# Altium PCB PCB2-v2.PcbDoc (part 7 of 8) (continued)
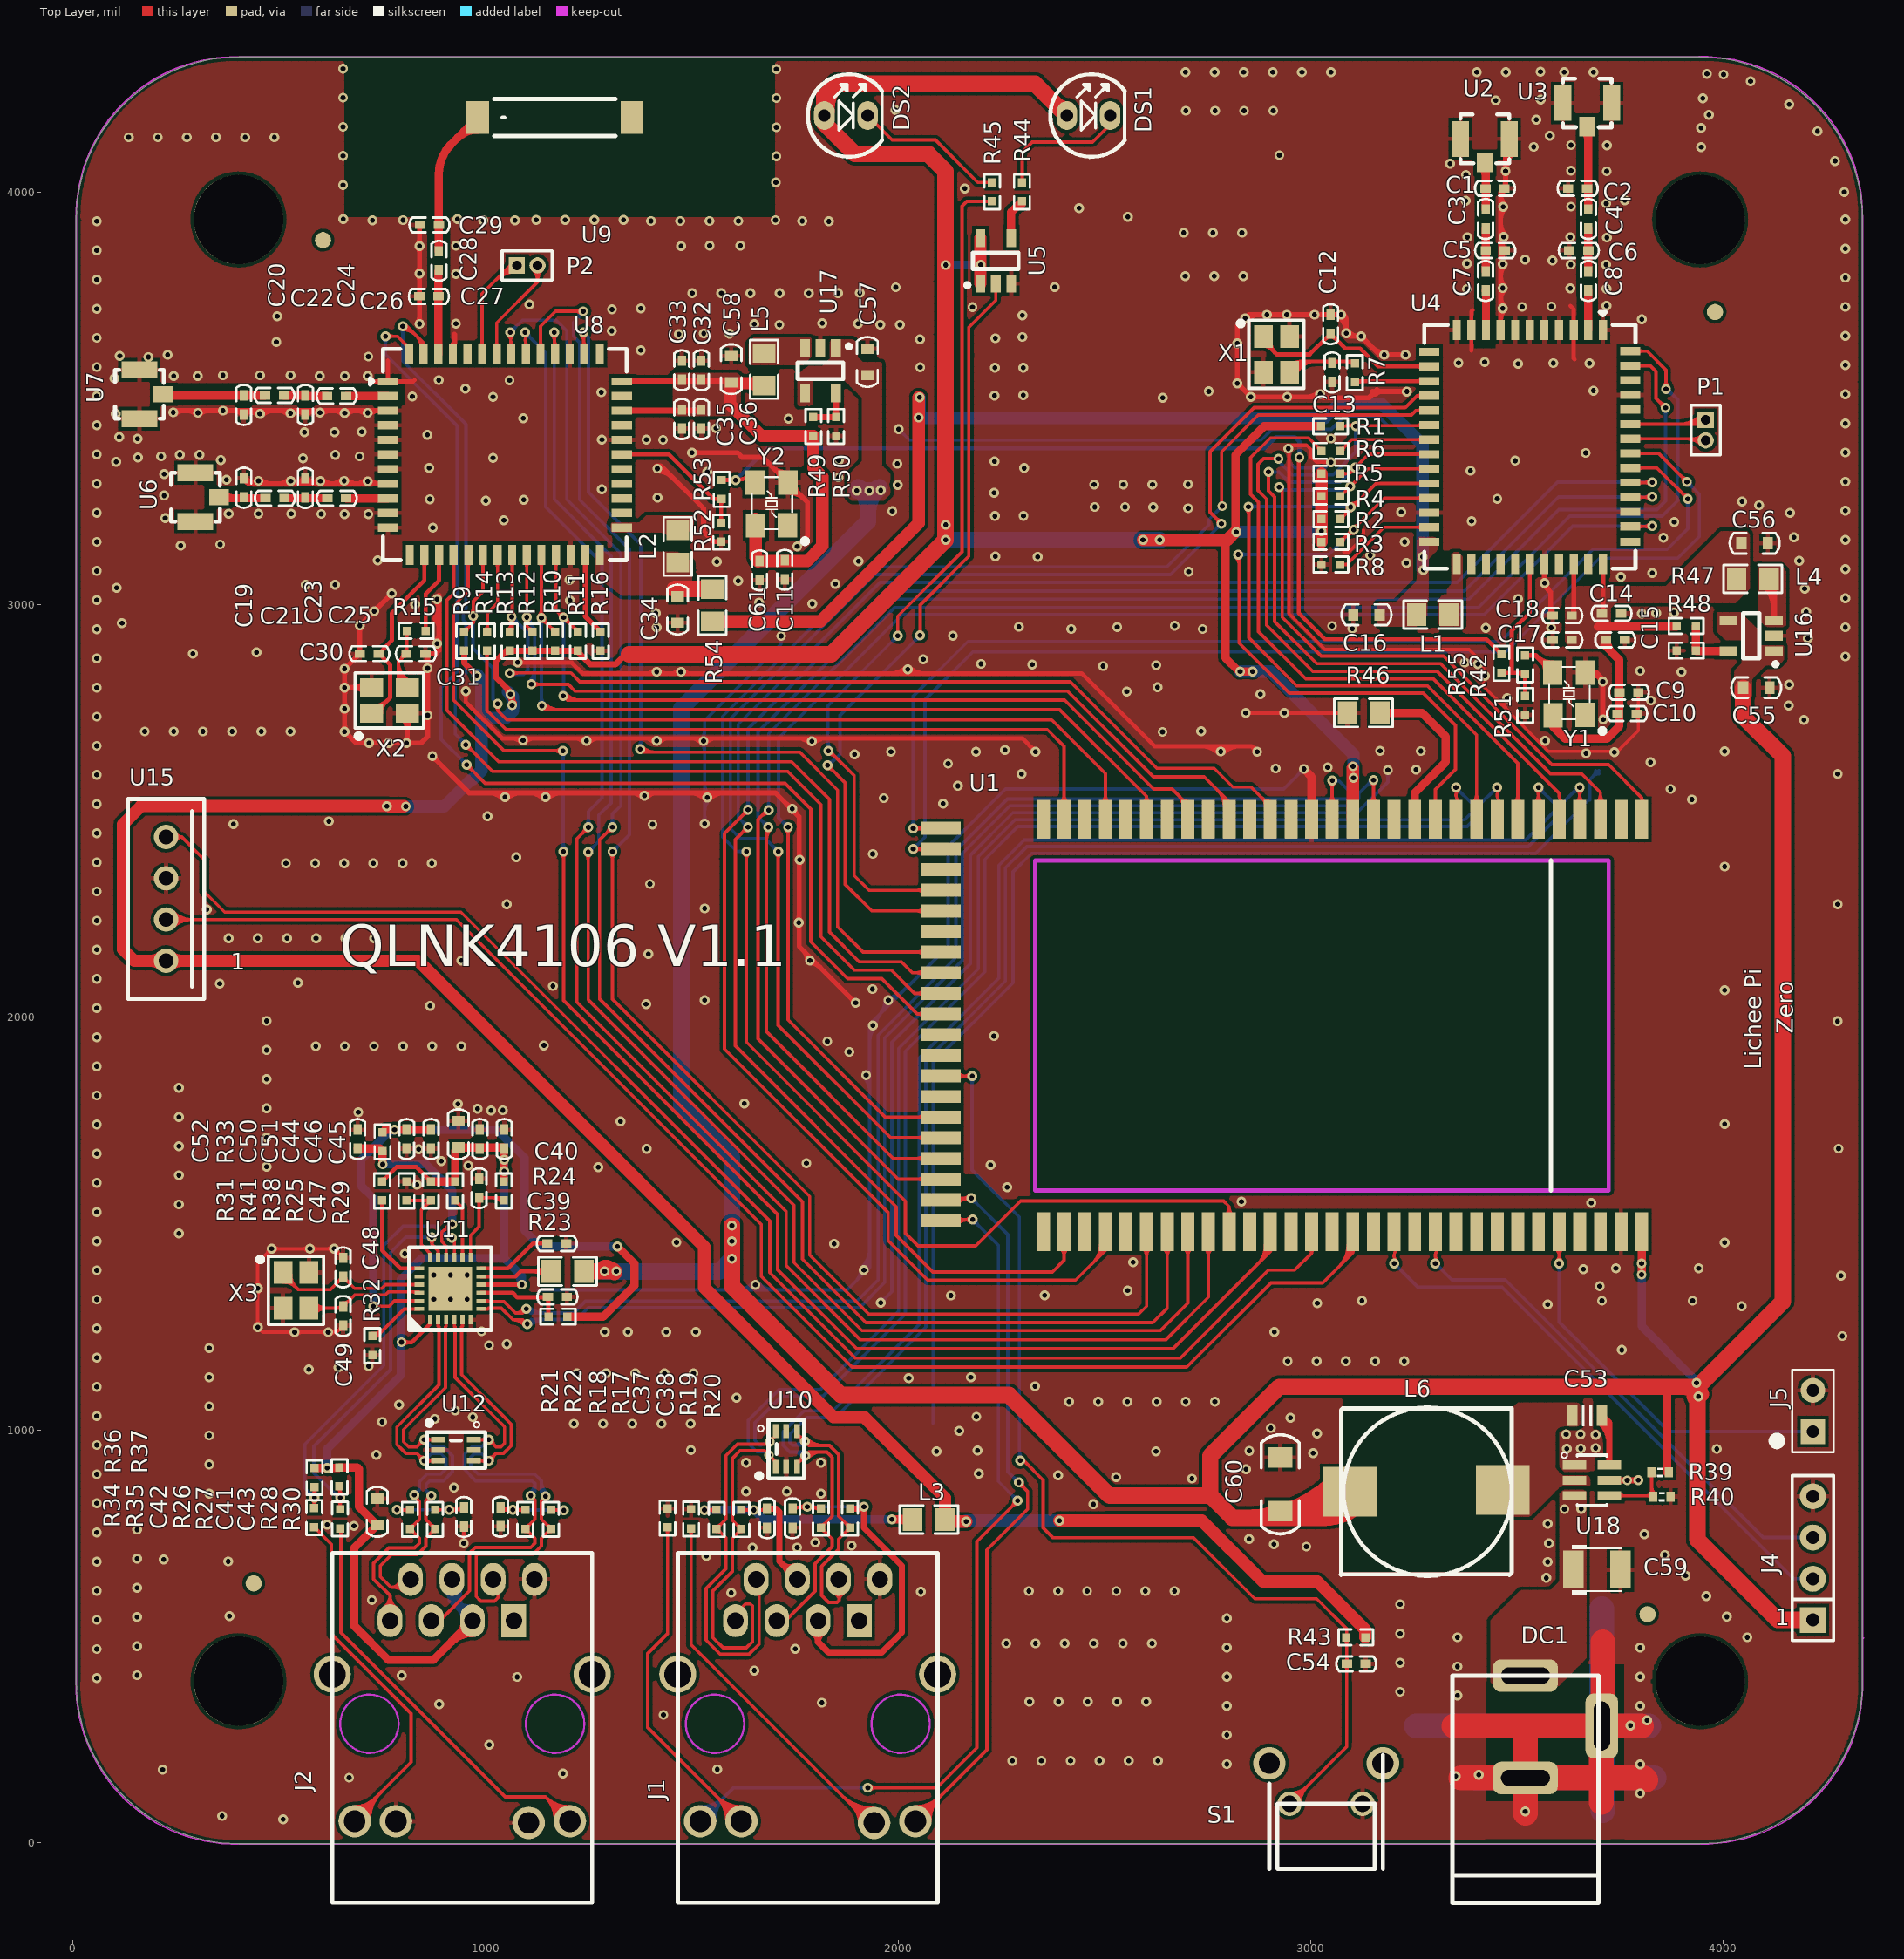
[diagram p0: Top Layer view]
## Nets (pads, with @x,y where several pads share a name; then routed paths per layer and width w, separated by ;. In a path a pad name is that pad's centre, name@x,y a point inside that pad or via, vN(x,y) a via of type N, cw(c..) or ccw(c..) an arc to the next point about the centre after c; other vN are vias at no path point) (continued)
NetR52_2: R52.2 R53.1 U8.31 | length 480.4
  Top Layer w10: U8.31@1329.72,3364.28 1443.78,3364.28 1551.53,3256.53 1570.87,3256.53 R52.2@1570.87,3198.89 ; 1356.18,3364.28 ccw(c1356.18,3352.59) 1347.91,3360.85 cw(c1356.18,3352.59) 1356.18,3364.28 ; 1356.18,3364.28 cw(c1356.18,3375.97) 1347.91,3367.7 ccw(c1356.18,3375.97) 1356.18,3364.28 ; 1559.81,3256.53 ccw(c1559.81,3268.6) 1568.35,3260.06 cw(c1559.81,3268.6) 1559.81,3256.53 ; 1559.81,3256.53 cw(c1559.81,3244.46) 1568.35,3252.99 ccw(c1559.81,3244.46) 1559.81,3256.53 ; 1570.87,3210.96 ccw(c1582.94,3210.96) 1574.4,3202.43 cw(c1582.94,3210.96) 1570.87,3210.96 ; 1570.87,3210.96 cw(c1558.8,3210.96) 1567.33,3202.43 ccw(c1558.8,3210.96) 1570.87,3210.96 ; 1570.87,3241.99 cw(c1586.42,3241.99) 1575.42,3252.99 ccw(c1586.42,3241.99) 1570.87,3241.99
NetR53_2: R53.2 R55.1 Y2.3 | length 2463.3
  Top Layer w10: R53.2@1571.89,3302.53 v1@1605.79,3302.53 ; v1@1609.73,3302.53 ccw(c1609.73,3345.68) Y2.3@1640.25,3315.17 ; v1@2970.93,3352.12 2970.93,2979.63 3033.94,2916.62 3426.46,2916.62 R55.1@3462.21,2880.87 ; R55.1@3453.67,2889.4 ccw(c3462.21,2897.94) 3462.21,2885.87 cw(c3462.21,2897.94) R55.1@3453.67,2889.4 ; R55.1@3453.67,2889.4 cw(c3445.13,2880.87) 3457.21,2880.87 ccw(c3445.13,2880.87) R55.1@3453.67,2889.4
  Bottom Layer w10: v1(1605.79,3301.94) 1683.56,3379.71 2889.1,3379.71 2916.08,3406.69 2961.28,3406.69 2972.44,3395.53 v1(2972.44,3357.34)
USB_ETH_N: U1.44 U11.7 | length 3830.9
  Top Layer w8: U11.7@989.06,1292.98 1004.87,1292.98 1006.71,1294.82 1038.02,1294.82 1065.98,1266.87 ; v1(1100.26,1256.7) 1090.09,1266.87 1065.98,1266.87 ; U1.44@3151.96,2480.2 v1(3152.02,2575.26) ; 1065.98,1266.87 cw(c1065.98,1233.44) 1093.64,1252.21 ccw(c1065.98,1233.44) 1065.98,1266.87 ; 3151.96,2540.06 ccw(c3180.33,2540.06) 3160.27,2520 cw(c3180.33,2540.06) 3151.96,2540.06 ; 3151.96,2540.06 cw(c3123.6,2540.06) 3143.66,2520 ccw(c3123.6,2540.06) 3151.96,2540.06 ; 1081.07,1266.87 cw(c1081.07,1243.68) v1(1100.26,1256.7) ccw(c1081.07,1243.68) 1081.07,1266.87 ; v1@3146.37,2569.6 cw(c3132.85,2556.09) 3151.96,2556.09 ccw(c3132.85,2556.09) v1@3146.37,2569.6 ; 3151.96,2555.8 cw(c3171.48,2555.8) 3157.68,2569.6 ccw(c3171.48,2555.8) 3151.96,2555.8
  Bottom Layer w8: 1127.89,1267.18 1148.83,1267.18 ; 3056.65,2512.84 3041.68,2512.84 ; v1(3152.02,2575.26) 3148.95,2575.26 3148.95,2568.76 3142.68,2568.76 3116.86,2542.94 3116.86,2529.75 3099.95,2512.84 3041.68,2512.84 ; v1(1100.26,1256.7) cw(c1125.56,1231.4) 1125.56,1267.18 ccw(c1125.56,1231.4) v1(1100.26,1256.7) ; v1(1100.26,1256.7) 1110.74,1267.18 1148.83,1267.18 ; 1148.83,1267.18 1219.69,1267.18 1248.52,1296.01 1906.17,1296.01 1967.13,1356.96 1967.13,1949.73 2155.73,2138.34 2155.73,2397.66 2270.92,2512.84 3041.68,2512.84 ; v1@1105.92,1251.05 cw(c1144.88,1212.09) 1144.88,1267.19 ccw(c1144.88,1212.09) v1@1105.92,1251.05 ; 3133.52,2559.6 cw(c3152.02,2541.09) 3152.02,2567.26 ccw(c3152.02,2541.09) 3133.52,2559.6 ; 3140.37,2566.45 ccw(c3131.56,2575.26) 3144.02,2575.26 cw(c3131.56,2575.26) 3140.37,2566.45
USB_ETH_P: U1.46 U11.8 | length 3755.2
  Top Layer w8: U11.8@989.06,1312.66 1004.87,1312.66 1006.71,1310.82 1044.65,1310.82 1072.6,1282.87 ; U1.46@3051.96,2480.2 v1(3051.98,2573.7) ; 1072.6,1282.87 ccw(c1072.6,1302.17) 1090.8,1295.75 cw(c1072.6,1302.17) 1072.6,1282.87 ; 1072.6,1282.87 1088.13,1282.87 v1(1098.35,1293.09) ; v1(1098.35,1293.09) cw(c1083.91,1298.18) 1083.91,1282.87 ccw(c1083.91,1298.18) v1(1098.35,1293.09) ; 3051.96,2540.06 ccw(c3080.33,2540.06) 3060.27,2520 cw(c3080.33,2540.06) 3051.96,2540.06 ; 3051.96,2540.06 cw(c3023.6,2540.06) 3043.66,2520 ccw(c3023.6,2540.06) 3051.96,2540.06 ; v1@3046.32,2568.05 cw(c3032.71,2554.43) 3051.96,2554.43 ccw(c3032.71,2554.43) v1@3046.32,2568.05 ; 3051.96,2554.35 cw(c3071.33,2554.35) 3057.64,2568.05 ccw(c3071.33,2554.35) 3051.96,2554.35
  Bottom Layer w8: 1127.89,1283.18 1155.19,1283.18 ; v1(3051.98,2573.7) 3068.1,2573.7 ; v1(1098.35,1293.09) ccw(c1122.26,1317) 1122.26,1283.18 cw(c1122.26,1317) v1(1098.35,1293.09) ; v1(1098.35,1293.09) 1108.25,1283.18 1155.19,1283.18 ; 1155.19,1283.18 1213.06,1283.18 1241.89,1312.01 1899.55,1312.01 1951.13,1363.59 1951.13,1956.36 2139.73,2144.96 2139.73,2404.29 2264.29,2528.84 3093.33,2528.84 3100.86,2536.38 3100.86,2540.94 3068.1,2573.7 ; 3068.1,2573.7 ccw(c3068.1,2561.46) 3058.35,2568.86 cw(c3068.1,2561.46) 3068.1,2573.7 ; 3068.1,2573.7 cw(c3068.1,2585.94) 3058.35,2578.54 ccw(c3068.1,2585.94) 3068.1,2573.7 ; v1@1104,1298.74 ccw(c1141.57,1336.31) 1141.57,1283.19 cw(c1141.57,1336.31) v1@1104,1298.74
USB_ID: R46.1 U1.42 | length 456.8
  Top Layer w8: U1.42@3251.96,2480.2 U1.42@3251.96,2521.89
  Top Layer w20: R46.1@3167.35,2738.06 3269.58,2738.06 3327.2,2680.43 3327.2,2618.99 3251.96,2543.75 U1.42@3251.96,2480.2
USB_SEL: U1.72
VCC: C55.1 C57.1 C60.1 J4.1 L6.1 R24.1 R39.2 U1.30 U16.1 U16.4 U17.1 U17.4 | length 13038.6
  Top Layer w20: v1(3801.96,1376.36) U1.30@3801.96,1480.2 ; R39.2@3864.19,897.31 3864.19,1098.01 3870.4,1104.22 ; R39.2@3864.19,908.82 ccw(c3877.63,908.82) R39.2@3868.13,899.31 ; R39.2@3864.19,908.82 ccw(c3877.63,908.82) R39.2@3868.13,899.31 ; R39.2@3864.19,908.82 ccw(c3877.63,908.82) R39.2@3868.13,899.31 ; R39.2@3864.19,908.82 ccw(c3877.63,908.82) R39.2@3868.13,899.31
  Top Layer w40: R24.1@1237.73,1384.13 v1(1288,1384.13) 1309.97,1384.13 v1@1310.23,1383.87 ; v1(1596.6,1495.12) v1(1596.6,1457.34) v1(1596.6,1414.52) 1596.6,1348.88 1861.22,1084.25 2268.41,1084.25 2512.56,840.11 2756.99,840.11 ; L6.1@3095.16,850.07 3032.17,787.07 2810.02,787.07 2756.99,840.11 ; C55.1@4047.92,2798.89 4047.92,2729.79 4144.33,2633.37 4144.33,1311.07 v1@3937.49,1104.22 ; J4.1@4217.21,539.04 4132.15,539.04 3937.49,733.71 v1@3937.49,1104.22 ; v1@1288,1392.13 cw(c1288,1358.4) v1@1311.85,1382.25 ; v1@1288,1392.13 cw(c1288,1358.4) v1@1311.85,1382.25 ; v1@1288,1392.13 cw(c1288,1358.4) v1@1311.85,1382.25 ; v1@1288,1392.13 cw(c1288,1358.4) v1@1311.85,1382.25 ; 2756.99,840.11 2756.37,840.73 2756.37,937.02 2923.57,1104.22 3870.4,1104.22 v1@3937.49,1104.22 ; 2841.52,787.07 ccw(c2841.52,1098.71) L6.1@3061.88,878.35 ; 2841.52,787.07 ccw(c2841.52,1098.71) L6.1@3061.88,878.35 ; 2841.52,787.07 ccw(c2841.52,1098.71) L6.1@3061.88,878.35 ; 2841.52,787.07 ccw(c2841.52,1098.71) L6.1@3061.88,878.35 ; 2870.78,787.07 ccw(c2870.78,852.91) C60.1@2917.33,806.36 ; 2870.78,787.07 ccw(c2870.78,852.91) C60.1@2917.33,806.36 ; 2870.78,787.07 ccw(c2870.78,852.91) C60.1@2917.33,806.36 ; 2870.78,787.07 ccw(c2870.78,852.91) C60.1@2917.33,806.36 ; C60.1@2934.41,806.36 ccw(c2980.96,852.91) 2980.96,787.07 ; C60.1@2934.41,806.36 ccw(c2980.96,852.91) 2980.96,787.07 ; C60.1@2934.41,806.36 ccw(c2980.96,852.91) 2980.96,787.07 ; C60.1@2934.41,806.36 ccw(c2980.96,852.91) 2980.96,787.07 ; C60.1@2938.09,787.07 ccw(c2938.09,1002.14) L6.1@3090.16,850.07 ; C60.1@2938.09,787.07 ccw(c2938.09,1002.14) L6.1@3090.16,850.07 ; C60.1@2938.09,787.07 ccw(c2938.09,1002.14) L6.1@3090.16,850.07 ; C60.1@2938.09,787.07 ccw(c2938.09,1002.14) L6.1@3090.16,850.07 ; 3034.65,787.07 ccw(c3034.65,905.57) L6.1@3118.45,821.78 ; 3034.65,787.07 ccw(c3034.65,905.57) L6.1@3118.45,821.78 ; 3034.65,787.07 ccw(c3034.65,905.57) L6.1@3118.45,821.78 ; 3034.65,787.07 ccw(c3034.65,905.57) L6.1@3118.45,821.78 ; 3034.67,789.58 cw(c3084.49,739.76) L6.1@3088.11,810.12 ; 3034.67,789.58 ccw(c2992.95,831.3) L6.1@3050.89,842.49 ; 3034.67,789.58 cw(c3084.49,739.76) L6.1@3088.11,810.12 ; 3034.67,789.58 ccw(c2992.95,831.3) L6.1@3050.89,842.49 ; 3034.67,789.58 ccw(c2992.95,831.3) L6.1@3050.89,842.49 ; 3034.67,789.58 cw(c3084.49,739.76) L6.1@3088.11,810.12 ; 3034.67,789.58 ccw(c2992.95,831.3) L6.1@3050.89,842.49 ; 3034.67,789.58 cw(c3084.49,739.76) L6.1@3088.11,810.12 ; v1@3937.49,1104.22 ccw(c3954.52,1087.18) 3932.18,1078.16 cw(c3954.52,1087.18) v1@3937.49,1104.22 ; 3903.23,1104.22 cw(c3903.23,1044.78) 3945.26,1086.81 ccw(c3903.23,1044.78) 3903.23,1104.22 ; v1@3931.6,1081.16 cw(c3973.08,1081.16) 3943.75,1110.48 ccw(c3973.08,1081.16) v1@3931.6,1081.16
  Bottom Layer w20: v1(3801.96,1403.51) 3801.96,1251.49 3939.6,1113.85 v1(3939.6,1081.16) ; 3928.26,1125.19 cw(c3916.97,1113.9) 3932.94,1113.9 ccw(c3916.97,1113.9) 3928.26,1125.19 ; v1@3933.53,1112.48 cw(c3918.86,1097.82) 3939.6,1097.82 ccw(c3918.86,1097.82) v1@3933.53,1112.48
  Bottom Layer w40: v1@1288,1384.03 1566.11,1384.03 v1(1596.6,1414.52) ; v1@1596.6,1412.89 v1(1596.6,1414.52) ; v1(1899.34,3276.91) v1@1926.25,3276.91 ; v1@1949.5,3276.91 v1(1929.94,3276.91) v1@1926.25,3276.91 ; v1(1596.6,1414.52) v1(1596.6,1457.34) v1(1596.6,1495.12) 1596.6,1660.89 1474.16,1783.33 1474.16,2749.36 1926.25,3201.45 v1@1926.25,3276.91 ; v1@1902.05,3284.43 cw(c1889.65,3250) 1926.25,3250 ; v1@1902.05,3284.43 cw(c1889.65,3250) 1926.25,3250 ; v1@1902.05,3284.43 cw(c1889.65,3250) 1926.25,3250 ; v1@1905,3282.56 cw(c1853.7,3231.26) 1926.25,3231.26 ; v1@1905,3282.56 cw(c1853.7,3231.26) 1926.25,3231.26 ; v1@1905,3282.56 cw(c1853.7,3231.26) 1926.25,3231.26 ; 1926.25,3220.73 cw(c2014.36,3220.73) v1@1952.06,3283.04 ; 1926.25,3220.73 cw(c2014.36,3220.73) v1@1952.06,3283.04 ; 1926.25,3220.73 cw(c2014.36,3220.73) v1@1952.06,3283.04 ; 1926.25,3245.91 cw(c1967.08,3245.91) v1@1955.43,3285.05 ; 1926.25,3245.91 cw(c1967.08,3245.91) v1@1955.43,3285.05 ; 1926.25,3245.91 cw(c1967.08,3245.91) v1@1955.43,3285.05
  other v1: 3934.94,1113.9 1316.68,1384.03 1957.71,3277.38
WiFi_3V3: C9.1 C10.1 C14.1 C15.1 C17.1 C18.1 C56.1 L4.1 R47.2 U4.34 U4.36 Y1.4 | length 1165
  Top Layer w12: C18.1@3632.43,2973.96 3637.28,2978.81 U4.34@3637.28,3099.26 ; C14.1@3706.04,2979.06 3708.15,2981.16 U4.36@3708.15,3099.26 ; C18.1@3632.1,2976.79 ccw(c3619.6,2989.3) 3637.28,2989.3 ; C18.1@3632.1,2976.79 ccw(c3619.6,2989.3) 3637.28,2989.3 ; C18.1@3632.1,2976.79 ccw(c3619.6,2989.3) 3637.28,2989.3 ; C18.1@3632.1,2976.79 ccw(c3619.6,2989.3) 3637.28,2989.3 ; 3708.15,2989.68 ccw(c3719.16,2989.68) C14.1@3711.37,2981.89 ; 3708.15,2989.68 ccw(c3719.16,2989.68) C14.1@3711.37,2981.89 ; 3708.15,2989.68 ccw(c3719.16,2989.68) C14.1@3711.37,2981.89 ; 3708.15,2989.68 ccw(c3719.16,2989.68) C14.1@3711.37,2981.89
  Top Layer w20: Y1.4@3587.48,2731.89 3587.48,2704.47 3616.06,2675.89 3718.14,2675.89 3748.03,2705.79 C9.1@3748.03,2787.89 3748.03,2866.35 3711.89,2902.5 ; 3695.24,2946.87 R47.2@3886.47,2946.87 ; Y1.4@3599.72,2720.01 ccw(c3625.88,2707.24) 3605.3,2686.65 ; Y1.4@3599.72,2720.01 ccw(c3625.88,2707.24) 3605.3,2686.65 ; Y1.4@3599.72,2720.01 ccw(c3625.88,2707.24) 3605.3,2686.65 ; C15.1@3717.61,2914.91 ccw(c3761.38,2914.91) 3730.43,2883.95 ; C15.1@3717.61,2914.91 ccw(c3761.38,2914.91) 3730.43,2883.95 ; C15.1@3717.61,2914.91 ccw(c3761.38,2914.91) 3730.43,2883.95
WiFi_3V3_U8: C11.1 C32.1 C33.1 C35.1 C36.1 C58.1 C61.1 L5.1 R49.2 U8.34 U8.36 Y2.4 | length 1556.7
  Top Layer w12: C11.1@1723.45,3106.34 C11.1@1724.91,3107.81
  Top Layer w15: U8.34@1329.72,3470.58 C36.1@1522.64,3470.58 ; U8.36@1329.72,3541.44 1592.29,3541.44 C58.1@1596.89,3536.85 ; 1574.79,3541.44 cw(c1574.79,3521.17) 1589.13,3535.51 ccw(c1574.79,3521.17) 1574.79,3541.44
  Top Layer w30: Y2.4@1654.41,3207.89 1654.41,3115.81 C61.1@1663.89,3106.34 C11.1@1723.45,3106.34 ; L5.1@1674.93,3531.28 1669.36,3536.85 1592.2,3536.85 1592.2,3485.22 1668.25,3409.17 1766.49,3409.17 ; 1716.78,3409.17 1766.49,3409.17 ; C11.1@1724.91,3106.34 1779.28,3106.34 1816.1,3143.15 1816.1,3309.85 1794.11,3331.83 R49.2@1794.11,3409.17 1766.49,3409.17 ; 1636.72,3536.85 cw(c1636.72,3497) 1664.9,3525.18 ccw(c1636.72,3497) 1636.72,3536.85 ; 1654.41,3119.64 ccw(c1674.68,3119.64) 1660.35,3105.3 cw(c1674.68,3119.64) 1654.41,3119.64
WiFi_32.768k: R42.1 R51.2 R55.2 U4.31 | length 582.3
  Top Layer w10: R55.2@3462.21,2834.87 3487.21,2834.87 ; R51.2@3519.69,2778.91 R42.1@3519.69,2831.33 3516.15,2834.87 3487.21,2834.87 ; U4.31@3530.98,3099.26 3530.98,2980.99 3487.21,2937.21 3487.21,2834.87 ; R42.1@3516.15,2827.8 ccw(c3499.07,2810.72) 3499.07,2834.87 cw(c3499.07,2810.72) R42.1@3516.15,2827.8 ; R42.1@3516.15,2827.8 cw(c3507.61,2819.26) 3519.68,2819.26 ; R42.1@3516.15,2827.8 cw(c3507.61,2819.26) 3519.68,2819.26 ; 3519.69,2790.98 ccw(c3531.76,2790.98) 3523.22,2782.44 cw(c3531.76,2790.98) 3519.69,2790.98 ; 3519.68,2790.98 cw(c3507.61,2790.98) 3516.15,2782.44 ccw(c3507.61,2790.98) 3519.68,2790.98 ; 3519.69,2819.26 cw(c3531.76,2819.26) 3523.22,2827.8 ccw(c3531.76,2819.26) 3519.69,2819.26 ; 3530.98,3072.8 ccw(c3519.29,3072.8) 3527.56,3081.07 cw(c3519.29,3072.8) 3530.98,3072.8 ; 3530.98,3072.8 cw(c3542.67,3072.8) 3534.4,3081.07 ccw(c3542.67,3072.8) 3530.98,3072.8 ; R55.2@3465.74,2831.33 cw(c3474.28,2822.8) 3474.28,2834.87 ccw(c3474.28,2822.8) R55.2@3465.74,2831.33 ; R55.2@3465.74,2838.4 ccw(c3474.28,2846.94) 3474.28,2834.87 cw(c3474.28,2846.94) R55.2@3465.74,2838.4
WiFi_LDO: C34.2 L2.2 R54.2 U8.25 | length 91.4
  Top Layer w40: 1457.84,3038.23 R54.2@1549.21,3038.23
WL0_CLK: R6.1 U1.37 | length 1754.6
  Top Layer w8: R6.1@3025.73,3372.93 3025.73,3373.65 2994.79,3404.58 2902,3404.58 2854.29,3356.87 2854.29,3267.86 2873.36,3248.79 2873.36,2934.95 2987.75,2820.56 3297.06,2820.56 3501.96,2615.66 U1.37@3501.96,2480.2 ; U1.37@3493.66,2520 ccw(c3473.6,2540.06) 3501.96,2540.06 ; U1.37@3493.66,2520 ccw(c3473.6,2540.06) 3501.96,2540.06 ; U1.37@3493.66,2520 ccw(c3473.6,2540.06) 3501.96,2540.06 ; U1.37@3493.66,2520 ccw(c3473.6,2540.06) 3501.96,2540.06 ; 3501.96,2540.06 ccw(c3530.33,2540.06) U1.37@3510.27,2520 ; 3501.96,2540.06 ccw(c3530.33,2540.06) U1.37@3510.27,2520 ; 3501.96,2540.06 ccw(c3530.33,2540.06) U1.37@3510.27,2520 ; 3501.96,2540.06 ccw(c3530.33,2540.06) U1.37@3510.27,2520 ; 3014.98,3384.39 cw(c3003.52,3372.93) 3019.73,3372.93 ccw(c3003.52,3372.93) 3014.98,3384.39 ; R6.1@3016.71,3382.67 ccw(c3025.73,3391.69) 3025.73,3378.93 cw(c3025.73,3391.69) R6.1@3016.71,3382.67
WL0_CMD: R1.1 U1.35 U4.17 | length 1918.9
  Top Layer w8: v1(2921.82,3354.1) 2885.49,3354.1 2871.95,3340.56 2871.95,3277.21 2892.74,3256.42 2892.74,2950.49 3004.66,2838.57 3306.14,2838.57 3601.96,2542.74 ; R1.1@3075.16,3428.5 cw(c3088.18,3415.48) 3088.18,3433.89 ; 3091.99,3433.89 ccw(c3091.99,3449.79) v1@3103.23,3438.55 ; v1@3108.89,3433.89 3285.38,3433.89 U4.17@3287.36,3435.87 ; 3601.96,2540.06 ccw(c3630.33,2540.06) U1.35@3610.27,2520 ; 3253.72,3433.89 ccw(c3253.72,3454.75) U4.17@3268.46,3440 ; 3253.72,3433.89 ccw(c3253.72,3454.75) U4.17@3268.46,3440 ; 3253.72,3433.89 ccw(c3253.72,3454.75) U4.17@3268.46,3440 ; 3253.72,3433.89 ccw(c3253.72,3454.75) U4.17@3268.46,3440
  Bottom Layer w8: v1(2921.82,3354.1) 2921.82,3347.94 2954.89,3314.88 3053.61,3314.88 3108.89,3370.16 v1(3108.89,3432.89)
WL0_D0: R2.1 U1.39 U4.21 | length 2636.5
  Top Layer w8: v1@2849.89,3237.89 2849.89,2919.89 2966.39,2803.39 3283.32,2803.39 3401.96,2684.74 U1.39@3401.96,2480.2 ; R2.1@3071.73,3207.58 3158.29,3294.14 U4.21@3287.36,3294.14 ; v1@2843.23,3232.24 cw(c2827.16,3216.17) 2849.89,3216.17 ; v1@2843.23,3232.24 cw(c2827.16,3216.17) 2849.89,3216.17 ; v1@2843.23,3232.24 cw(c2827.16,3216.17) 2849.89,3216.17 ; v1@2843.23,3232.24 cw(c2827.16,3216.17) 2849.89,3216.17 ; 2849.89,3220.99 cw(c2865.79,3220.99) v1@2854.54,3232.24 ; 2849.89,3220.99 cw(c2865.79,3220.99) v1@2854.54,3232.24 ; 2849.89,3220.99 cw(c2865.79,3220.99) v1@2854.54,3232.24 ; 2849.89,3220.99 cw(c2865.79,3220.99) v1@2854.54,3232.24 ; R2.1@3071.73,3213.58 ccw(c3071.73,3228.06) 3081.97,3217.82 ; R2.1@3071.73,3213.58 ccw(c3071.73,3228.06) 3081.97,3217.82 ; R2.1@3071.73,3213.58 ccw(c3071.73,3228.06) 3081.97,3217.82 ; R2.1@3071.73,3213.58 ccw(c3071.73,3228.06) 3081.97,3217.82 ; R2.1@3077.73,3207.58 cw(c3092.21,3207.58) 3081.97,3217.82 ; R2.1@3077.73,3207.58 cw(c3092.21,3207.58) 3081.97,3217.82 ; R2.1@3077.73,3207.58 cw(c3092.21,3207.58) 3081.97,3217.82 ; R2.1@3077.73,3207.58 cw(c3092.21,3207.58) 3081.97,3217.82 ; R2.1@3080.29,3216.14 ccw(c3059.53,3236.89) v1@3088.89,3236.89 ; R2.1@3080.29,3216.14 ccw(c3059.53,3236.89) v1@3088.89,3236.89 ; R2.1@3080.29,3216.14 ccw(c3059.53,3236.89) v1@3088.89,3236.89 ; R2.1@3080.29,3216.14 ccw(c3059.53,3236.89) v1@3088.89,3236.89 ; 3090.33,3226.18 cw(c3096.89,3219.62) v1@3096.89,3228.89 ; 3090.33,3226.18 cw(c3096.89,3219.62) v1@3096.89,3228.89 ; 3090.33,3226.18 cw(c3096.89,3219.62) v1@3096.89,3228.89 ; 3090.33,3226.18 cw(c3096.89,3219.62) v1@3096.89,3228.89 ; v1@3096.89,3244.89 ccw(c3096.89,3274.24) 3117.64,3253.49 ; v1@3096.89,3244.89 ccw(c3096.89,3274.24) 3117.64,3253.49 ; v1@3096.89,3244.89 ccw(c3096.89,3274.24) 3117.64,3253.49 ; v1@3096.89,3244.89 ccw(c3096.89,3274.24) 3117.64,3253.49 ; v1@3104.89,3236.89 cw(c3114.16,3236.89) 3107.6,3243.45 ; v1@3104.89,3236.89 cw(c3114.16,3236.89) 3107.6,3243.45 ; v1@3104.89,3236.89 cw(c3114.16,3236.89) 3107.6,3243.45 ; v1@3104.89,3236.89 cw(c3114.16,3236.89) 3107.6,3243.45 ; 3258.49,3294.14 cw(c3258.49,3280.03) U4.21@3268.46,3290.01 ; 3258.49,3294.14 ccw(c3258.49,3308.24) U4.21@3268.46,3298.27 ; 3258.49,3294.14 cw(c3258.49,3280.03) U4.21@3268.46,3290.01 ; 3258.49,3294.14 ccw(c3258.49,3308.24) U4.21@3268.46,3298.27 ; 3258.49,3294.14 ccw(c3258.49,3308.24) U4.21@3268.46,3298.27 ; 3258.49,3294.14 cw(c3258.49,3280.03) U4.21@3268.46,3290.01 ; 3258.49,3294.14 ccw(c3258.49,3308.24) U4.21@3268.46,3298.27 ; 3258.49,3294.14 cw(c3258.49,3280.03) U4.21@3268.46,3290.01 ; U1.39@3393.66,2520 ccw(c3373.6,2540.06) 3401.96,2540.06 ; U1.39@3393.66,2520 ccw(c3373.6,2540.06) 3401.96,2540.06 ; U1.39@3393.66,2520 ccw(c3373.6,2540.06) 3401.96,2540.06 ; U1.39@3393.66,2520 ccw(c3373.6,2540.06) 3401.96,2540.06 ; 3401.96,2540.06 ccw(c3430.33,2540.06) U1.39@3410.27,2520 ; 3401.96,2540.06 ccw(c3430.33,2540.06) U1.39@3410.27,2520 ; 3401.96,2540.06 ccw(c3430.33,2540.06) U1.39@3410.27,2520 ; 3401.96,2540.06 ccw(c3430.33,2540.06) U1.39@3410.27,2520
  Bottom Layer w8: v1(2848.89,3237.89) 3095.89,3237.89 v1(3096.89,3236.89) ; v1@2854.54,3232.24 cw(c2868.2,3218.58) 2868.2,3237.89 ; v1@2854.54,3232.24 cw(c2868.2,3218.58) 2868.2,3237.89 ; v1@2854.54,3232.24 cw(c2868.2,3218.58) 2868.2,3237.89 ; v1@2854.54,3232.24 cw(c2868.2,3218.58) 2868.2,3237.89 ; v1@2854.54,3243.55 ccw(c2868.2,3257.21) 2868.2,3237.89 ; v1@2854.54,3243.55 ccw(c2868.2,3257.21) 2868.2,3237.89 ; v1@2854.54,3243.55 ccw(c2868.2,3257.21) 2868.2,3237.89 ; v1@2854.54,3243.55 ccw(c2868.2,3257.21) 2868.2,3237.89 ; 3075.16,3237.89 cw(c3075.16,3215.17) v1@3091.23,3231.24 ; 3075.16,3237.89 cw(c3075.16,3215.17) v1@3091.23,3231.24 ; 3075.16,3237.89 cw(c3075.16,3215.17) v1@3091.23,3231.24 ; 3075.16,3237.89 cw(c3075.16,3215.17) v1@3091.23,3231.24 ; 3079.99,3237.89 ccw(c3079.99,3253.79) v1@3091.23,3242.55 ; 3079.99,3237.89 ccw(c3079.99,3253.79) v1@3091.23,3242.55 ; 3079.99,3237.89 ccw(c3079.99,3253.79) v1@3091.23,3242.55 ; 3079.99,3237.89 ccw(c3079.99,3253.79) v1@3091.23,3242.55
WL0_D1: R3.1 U1.41 U4.22 | length 2420
  Top Layer w8: v1@2825.89,3121.69 2825.89,2907.77 2947.91,2785.74 3272.69,2785.74 3350.79,2707.64 3350.79,2601.01 3301.96,2552.19 U1.41@3301.96,2480.2 ; R3.1@3071.73,3152.46 3177.97,3258.7 U4.22@3287.36,3258.7 ; v1@2818.58,3116.03 cw(c2800.94,3098.39) 2825.89,3098.39 ; v1@2818.58,3116.03 cw(c2800.94,3098.39) 2825.89,3098.39 ; v1@2818.58,3116.03 cw(c2800.94,3098.39) 2825.89,3098.39 ; v1@2818.58,3116.03 cw(c2800.94,3098.39) 2825.89,3098.39 ; 2825.89,3106.35 cw(c2839.57,3106.35) v1@2829.89,3116.03 ; 2825.89,3106.35 cw(c2839.57,3106.35) v1@2829.89,3116.03 ; 2825.89,3106.35 cw(c2839.57,3106.35) v1@2829.89,3116.03 ; 2825.89,3106.35 cw(c2839.57,3106.35) v1@2829.89,3116.03 ; R3.1@3071.73,3158.46 ccw(c3071.73,3172.95) 3081.97,3162.7 ; R3.1@3071.73,3158.46 ccw(c3071.73,3172.95) 3081.97,3162.7 ; R3.1@3071.73,3158.46 ccw(c3071.73,3172.95) 3081.97,3162.7 ; R3.1@3071.73,3158.46 ccw(c3071.73,3172.95) 3081.97,3162.7 ; R3.1@3077.73,3152.46 cw(c3092.21,3152.46) 3081.97,3162.7 ; R3.1@3077.73,3152.46 cw(c3092.21,3152.46) 3081.97,3162.7 ; R3.1@3077.73,3152.46 cw(c3092.21,3152.46) 3081.97,3162.7 ; R3.1@3077.73,3152.46 cw(c3092.21,3152.46) 3081.97,3162.7 ; 3085.58,3166.31 cw(c3103.89,3148) v1@3103.89,3173.89 ; 3085.58,3166.31 cw(c3103.89,3148) v1@3103.89,3173.89 ; 3085.58,3166.31 cw(c3103.89,3148) v1@3103.89,3173.89 ; 3085.58,3166.31 cw(c3103.89,3148) v1@3103.89,3173.89 ; 3092.16,3172.89 ccw(c3083.15,3181.89) v1@3095.89,3181.89 ; 3092.16,3172.89 ccw(c3083.15,3181.89) v1@3095.89,3181.89 ; 3092.16,3172.89 ccw(c3083.15,3181.89) v1@3095.89,3181.89 ; 3092.16,3172.89 ccw(c3083.15,3181.89) v1@3095.89,3181.89 ; v1@3103.89,3189.89 ccw(c3103.89,3202.63) 3112.89,3193.62 ; v1@3103.89,3189.89 ccw(c3103.89,3202.63) 3112.89,3193.62 ; v1@3103.89,3189.89 ccw(c3103.89,3202.63) 3112.89,3193.62 ; v1@3103.89,3189.89 ccw(c3103.89,3202.63) 3112.89,3193.62 ; v1@3111.89,3181.89 cw(c3137.78,3181.89) 3119.47,3200.2 ; v1@3111.89,3181.89 cw(c3137.78,3181.89) 3119.47,3200.2 ; v1@3111.89,3181.89 cw(c3137.78,3181.89) 3119.47,3200.2 ; v1@3111.89,3181.89 cw(c3137.78,3181.89) 3119.47,3200.2 ; 3258.49,3258.7 cw(c3258.49,3244.6) U4.22@3268.46,3254.57 ; 3258.49,3258.7 ccw(c3258.49,3272.81) U4.22@3268.46,3262.84 ; 3258.49,3258.7 cw(c3258.49,3244.6) U4.22@3268.46,3254.57 ; 3258.49,3258.7 ccw(c3258.49,3272.81) U4.22@3268.46,3262.84 ; 3258.49,3258.7 ccw(c3258.49,3272.81) U4.22@3268.46,3262.84 ; 3258.49,3258.7 cw(c3258.49,3244.6) U4.22@3268.46,3254.57 ; 3258.49,3258.7 ccw(c3258.49,3272.81) U4.22@3268.46,3262.84 ; 3258.49,3258.7 cw(c3258.49,3244.6) U4.22@3268.46,3254.57
  Bottom Layer w8: v1(2824.24,3121.69) 3043.68,3121.69 v1(3103.89,3181.89) ; v1@2829.89,3116.03 cw(c2843.55,3102.37) 2843.55,3121.69 ; v1@2829.89,3116.03 cw(c2843.55,3102.37) 2843.55,3121.69 ; v1@2829.89,3116.03 cw(c2843.55,3102.37) 2843.55,3121.69 ; v1@2829.89,3116.03 cw(c2843.55,3102.37) 2843.55,3121.69 ; v1@2829.89,3127.34 ccw(c2843.55,3141) 2843.55,3121.69 ; v1@2829.89,3127.34 ccw(c2843.55,3141) 2843.55,3121.69 ; v1@2829.89,3127.34 ccw(c2843.55,3141) 2843.55,3121.69 ; v1@2829.89,3127.34 ccw(c2843.55,3141) 2843.55,3121.69 ; 3090.23,3168.24 cw(c3103.89,3154.58) v1@3103.89,3173.89 ; 3090.23,3168.24 ccw(c3076.57,3181.89) v1@3095.89,3181.89 ; 3090.23,3168.24 cw(c3103.89,3154.58) v1@3103.89,3173.89 ; 3090.23,3168.24 ccw(c3076.57,3181.89) v1@3095.89,3181.89 ; 3090.23,3168.24 ccw(c3076.57,3181.89) v1@3095.89,3181.89 ; 3090.23,3168.24 cw(c3103.89,3154.58) v1@3103.89,3173.89 ; 3090.23,3168.24 ccw(c3076.57,3181.89) v1@3095.89,3181.89 ; 3090.23,3168.24 cw(c3103.89,3154.58) v1@3103.89,3173.89
WL0_D2: R4.1 U1.31 U4.20 | length 1869
  Top Layer w8: v1@2930.69,3277.77 2930.69,2969.99 3025.26,2875.41 3321.56,2875.41 3584.53,2612.45 3722.05,2612.45 3801.96,2532.53 ccw(c3814.56,2532.53) U1.31@3808.04,2521.75 ; 3082.11,3273.07 ccw(c3068.45,3286.73) v1@3087.76,3286.73 ; v1(3095.76,3286.73) 3138.6,3329.57 U4.20@3287.36,3329.57 ; 3258.49,3329.57 cw(c3258.49,3315.47) U4.20@3268.46,3325.44 ; 3258.49,3329.57 ccw(c3258.49,3343.68) U4.20@3268.46,3333.7 ; 3258.49,3329.57 cw(c3258.49,3315.47) U4.20@3268.46,3325.44 ; 3258.49,3329.57 ccw(c3258.49,3343.68) U4.20@3268.46,3333.7 ; 3258.49,3329.57 ccw(c3258.49,3343.68) U4.20@3268.46,3333.7 ; 3258.49,3329.57 cw(c3258.49,3315.47) U4.20@3268.46,3325.44 ; 3258.49,3329.57 ccw(c3258.49,3343.68) U4.20@3268.46,3333.7 ; 3258.49,3329.57 cw(c3258.49,3315.47) U4.20@3268.46,3325.44
  Bottom Layer w8: v1(2923.09,3285.36) 2929.19,3278.24 3093.81,3278.24 v1(3095.76,3286.73)
WL0_D3: R5.1 U1.33 U4.19 | length 2214.6
  Top Layer w8: v1(2897.58,3321.86) 2897.58,3276.07 2912.13,3261.53 2912.13,2959.35 3014.07,2857.4 3314.17,2857.4 3581.29,2590.28 3656.5,2590.28 3701.96,2544.81 U1.33@3701.96,2480.2 ; R5.1@3071.73,3317.81 3092.81,3317.81 ; 3094.94,3319.94 cw(c3106.89,3307.99) v1@3106.89,3324.89 ; v1@3107.39,3332.39 3140,3365 U4.19@3287.36,3365 ; R5.1@3075.97,3313.57 cw(c3086.21,3303.33) 3086.21,3317.81 ; R5.1@3075.97,3313.57 cw(c3086.21,3303.33) 3086.21,3317.81 ; R5.1@3075.97,3313.57 cw(c3086.21,3303.33) 3086.21,3317.81 ; R5.1@3075.97,3313.57 cw(c3086.21,3303.33) 3086.21,3317.81 ; R5.1@3075.97,3322.06 ccw(c3086.21,3332.3) 3086.21,3317.81 ; R5.1@3075.97,3322.06 ccw(c3086.21,3332.3) 3086.21,3317.81 ; R5.1@3075.97,3322.06 ccw(c3086.21,3332.3) 3086.21,3317.81 ; R5.1@3075.97,3322.06 ccw(c3086.21,3332.3) 3086.21,3317.81 ; 3258.49,3365 cw(c3258.49,3350.9) U4.19@3268.46,3360.87 ; 3258.49,3365 ccw(c3258.49,3379.11) U4.19@3268.46,3369.13 ; 3258.49,3365 cw(c3258.49,3350.9) U4.19@3268.46,3360.87 ; 3258.49,3365 ccw(c3258.49,3379.11) U4.19@3268.46,3369.13 ; 3258.49,3365 ccw(c3258.49,3379.11) U4.19@3268.46,3369.13 ; 3258.49,3365 cw(c3258.49,3350.9) U4.19@3268.46,3360.87 ; 3258.49,3365 ccw(c3258.49,3379.11) U4.19@3268.46,3369.13 ; 3258.49,3365 cw(c3258.49,3350.9) U4.19@3268.46,3360.87 ; U1.33@3693.66,2520 ccw(c3673.6,2540.06) 3701.96,2540.06 ; U1.33@3693.66,2520 ccw(c3673.6,2540.06) 3701.96,2540.06 ; U1.33@3693.66,2520 ccw(c3673.6,2540.06) 3701.96,2540.06 ; U1.33@3693.66,2520 ccw(c3673.6,2540.06) 3701.96,2540.06 ; 3701.96,2540.06 ccw(c3730.33,2540.06) U1.33@3710.27,2520 ; 3701.96,2540.06 ccw(c3730.33,2540.06) U1.33@3710.27,2520 ; 3701.96,2540.06 ccw(c3730.33,2540.06) U1.33@3710.27,2520 ; 3701.96,2540.06 ccw(c3730.33,2540.06) U1.33@3710.27,2520
  Bottom Layer w8: v1(2897.58,3321.86) 2923.26,3321.86 2947.81,3297.3 3071.3,3297.3 v1(3106.89,3332.89)
WL0_HOST_WAKE: U1.10 U4.16 | length 4866.8
  Top Layer w8: v1(1631.89,2401.89) 1631.89,1939.89 2017.43,1554.35 2017.43,1476.35 2047.89,1445.89 2187.89,1445.89 2296.89,1554.89 2788.89,1554.89 2801.96,1541.81 U1.10@2801.96,1480.2 ; v1@2783.73,3239.08 2783.73,3370.86 2872.77,3459.89 3243.89,3459.89 3255.3,3471.3 ; 3258.49,3471.3 ccw(c3258.49,3485.41) U4.16@3268.46,3475.43 ; v1@1626.23,2396.24 cw(c1612.57,2382.58) 1631.89,2382.58 ; v1@1626.23,2396.24 cw(c1612.57,2382.58) 1631.89,2382.58 ; v1@1626.23,2396.24 cw(c1612.57,2382.58) 1631.89,2382.58 ; v1@1626.23,2396.24 cw(c1612.57,2382.58) 1631.89,2382.58 ; 1631.89,2382.58 cw(c1651.2,2382.58) v1@1637.54,2396.24 ; 1631.89,2382.58 cw(c1651.2,2382.58) v1@1637.54,2396.24 ; 1631.89,2382.58 cw(c1651.2,2382.58) v1@1637.54,2396.24 ; 1631.89,2382.58 cw(c1651.2,2382.58) v1@1637.54,2396.24 ; U1.10@2793.66,1520 ccw(c2773.6,1540.06) 2801.96,1540.06 ; U1.10@2793.66,1520 ccw(c2773.6,1540.06) 2801.96,1540.06 ; U1.10@2793.66,1520 ccw(c2773.6,1540.06) 2801.96,1540.06 ; U1.10@2793.66,1520 ccw(c2773.6,1540.06) 2801.96,1540.06 ; 2801.96,1540.06 ccw(c2830.33,1540.06) U1.10@2810.27,1520 ; 2801.96,1540.06 ccw(c2830.33,1540.06) U1.10@2810.27,1520 ; 2801.96,1540.06 ccw(c2830.33,1540.06) U1.10@2810.27,1520 ; 2801.96,1540.06 ccw(c2830.33,1540.06) U1.10@2810.27,1520
  Bottom Layer w8: v1(1631.89,2401.89) 1608.89,2401.89 1573.89,2436.89 1573.89,2729.17 1936.68,3091.96 2651.67,3091.96 2753.26,3193.54 2753.26,3207.04 v1(2785.3,3239.08) ; 1612.57,2401.89 cw(c1612.57,2382.58) v1@1626.23,2396.24 ; 1612.57,2401.89 ccw(c1612.57,2421.21) v1@1626.23,2407.55 ; 1612.57,2401.89 cw(c1612.57,2382.58) v1@1626.23,2396.24 ; 1612.57,2401.89 ccw(c1612.57,2421.21) v1@1626.23,2407.55 ; 1612.57,2401.89 ccw(c1612.57,2421.21) v1@1626.23,2407.55 ; 1612.57,2401.89 cw(c1612.57,2382.58) v1@1626.23,2396.24 ; 1612.57,2401.89 ccw(c1612.57,2421.21) v1@1626.23,2407.55 ; 1612.57,2401.89 cw(c1612.57,2382.58) v1@1626.23,2396.24